# Altium PCB 0416X.PcbDoc (part 1 of 3)
Units mm, origin at the board's own origin, x right, y up, seen from the top; angles counter-clockwise.
Board outline 152.4 x 49.85 mm, 4 copper layers (Top Layer, Signal Layer 2, Signal Layer 1, Bottom Layer), stack 0.778 mm thick; 255 components, 302 nets, 1179 pads, 738 vias.
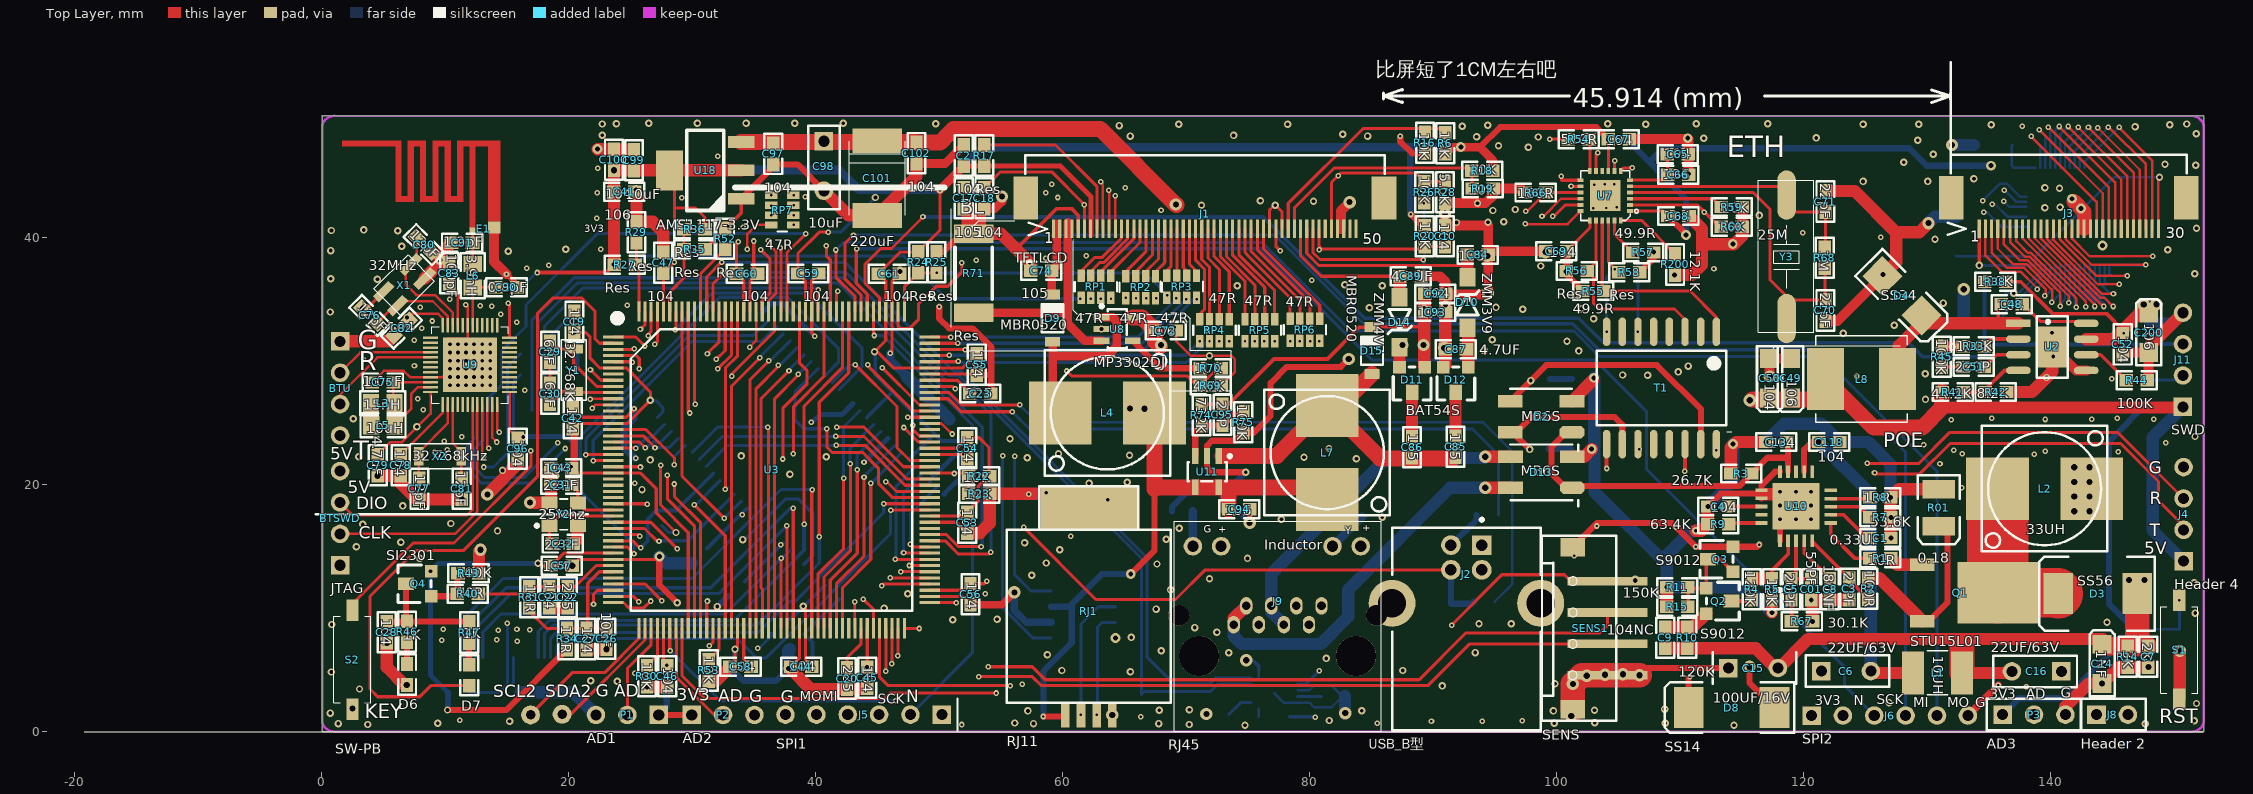
[diagram p0: Top Layer view]
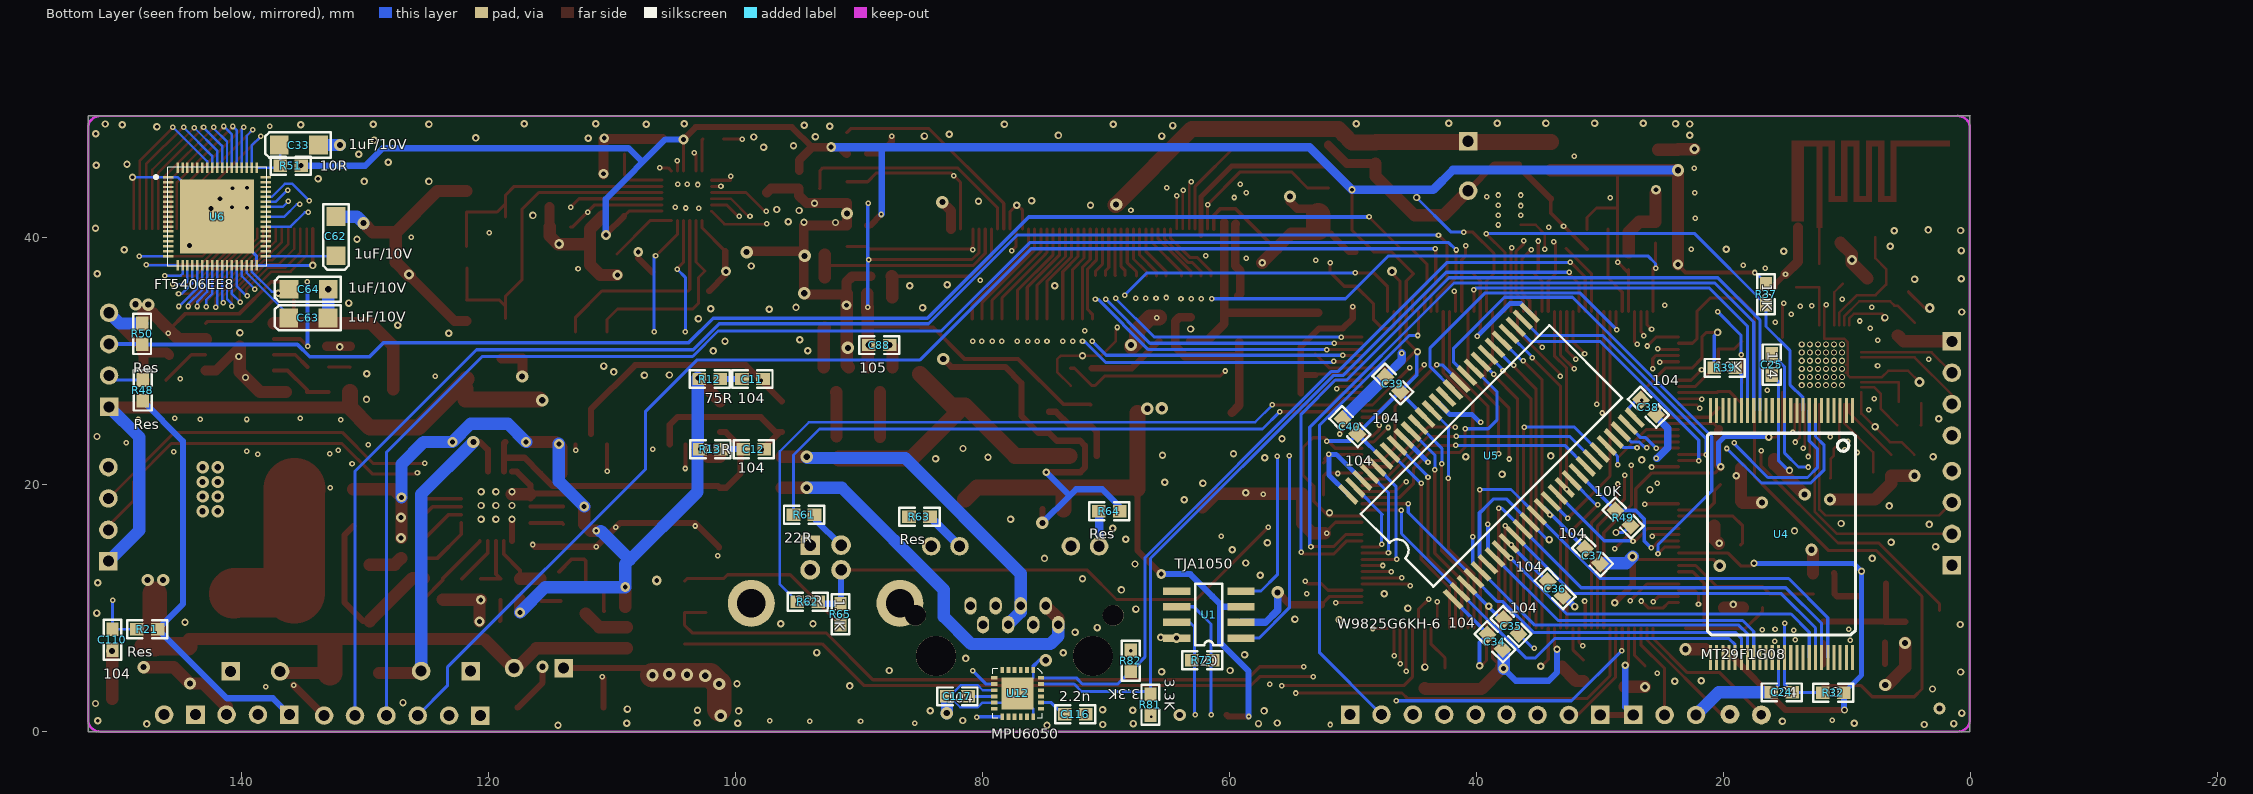
[diagram p1: Bottom Layer view, seen from below]
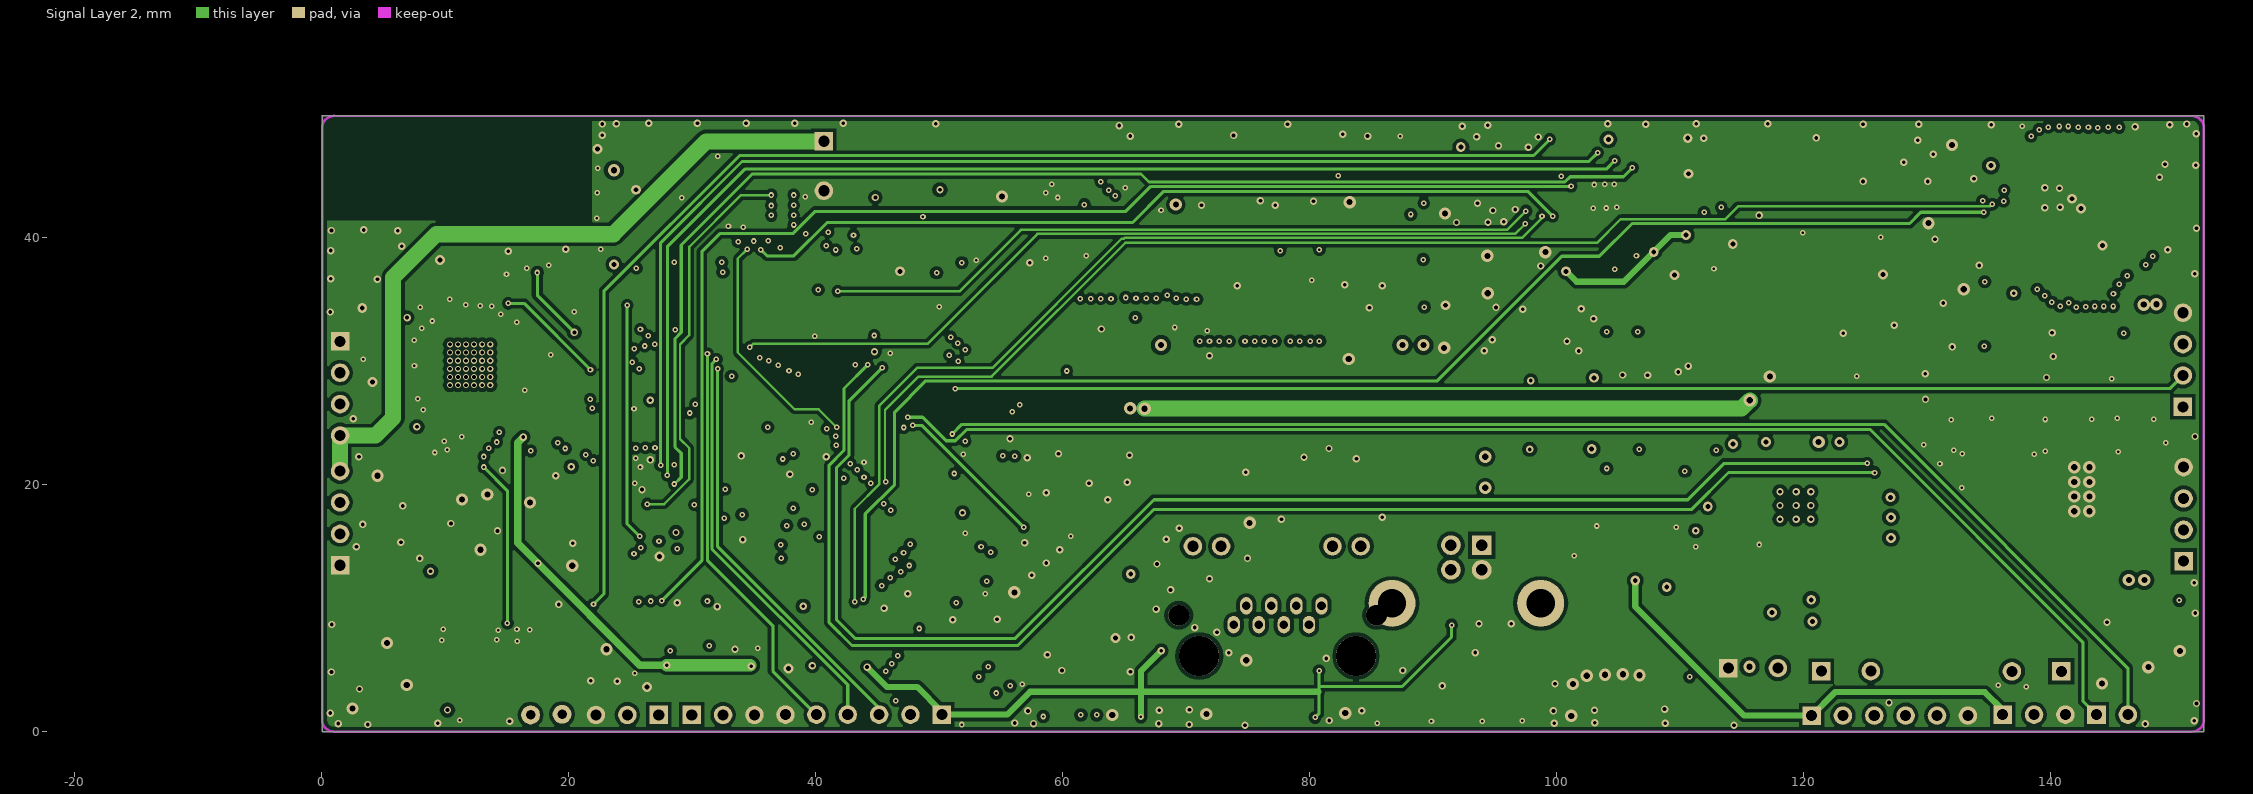
[diagram p2: Signal Layer 2]
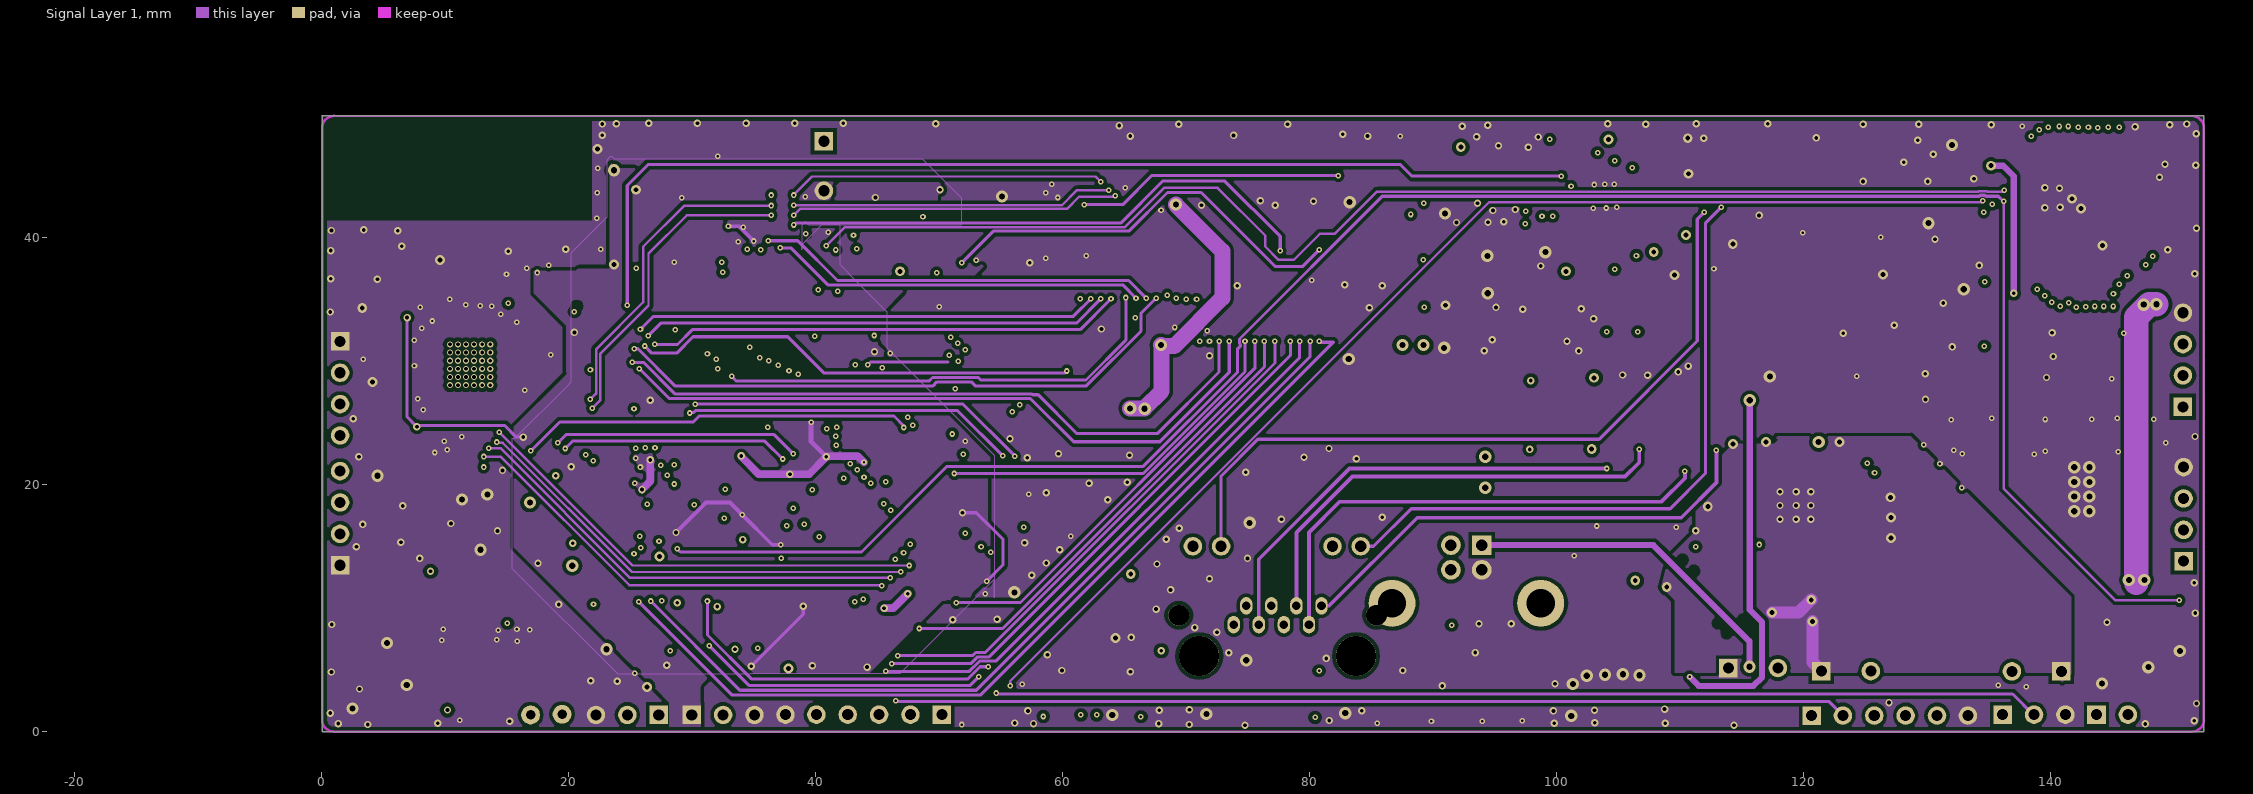
[diagram p3: Signal Layer 1]

## Layer stack, top to bottom
Top Solder: solder mask 0.0102, Solder Resist, Dk 3.5
Top Layer: signal copper 0.0356
Dielectric 1: core 0.254, FR-4, Dk 4.2
Signal Layer 2: signal copper 0.036
Dielectric 5: prepreg 0.127, Dk 4.2
Signal Layer 1: signal copper 0.036
Dielectric 4: core 0.254, Dk 4.2
Bottom Layer: signal copper 0.0356
Bottom Solder: solder mask 0.0102, Solder Resist, Dk 3.5

## Board outline
0.025,0.025 0.025,49.85 0,49.875 152.4,49.875 152.4,0.025

## Design rules (kind name [scope] priority, off if disabled: settings)
Clearance Clearance_2 [InPolygon] p1: gap=0.3
Clearance ClearancePSEGND [InPolygon] p2: gap=0.3
Clearance [All] p3: gap=0.102
ComponentClearance [All] p1: gap=0 collisioncheckmode=3 verticalgap=0 showdistances=FALSE
HoleSize [All] p1: absolutevalues=TRUE maxlimit=2 minlimit=0.2 maxpercent=80.000 minpercent=20.000
HoleToHoleClearance [All] p1: gap=0.508 allowstackedmicrovias=TRUE
MinimumSolderMaskSliver [All] p1: minsoldermaskwidth=0
PlaneConnect [All] p1: planeconnectstyle=Direct reliefexpansion=0.508 reliefentries=4 reliefconductorwidth=0.254 reliefairgap=0.254
PolygonConnect [All] p1: connectstyle=Direct reliefconductorwidth=0.254 reliefentries=4 polygonreliefangle="90 Angle" airgapwidth=0.254
RoutingVias [All] p1: holewidth=0.2 width=0.45 viastyle="Through Hole" minholewidth=0.2 minwidth=0.45 maxholewidth=2 maxwidth=3
SilkToSilkClearance [All] p1: silktosilkclearance=0
SilkToSolderMaskClearance [IsPad] p1: minsilkscreentomaskgap=0 clearancetoexposedcopper=TRUE
SolderMaskExpansion [All] p1: expansion=0.102
UnpouredPolygon [All] p1: allowunpoured=FALSE
Width [All] p1: maxlimit=25.4 minlimit=0.102 preferedwidth=0.203
22 further rules are at their usual default settings.

## Classes and differential pairs
component class POWER: C1 C01 C3 C4 C5 C6 C7 C8 C9 C11 C12 C13 C14 C15 C16 C48 C49 C50 C51 C52 C97 C98 C99 C100 C101 C102 C118 C200 D2 D3 D4 D13 J9 L1 L2 L8 Q1 Q2 Q3 R1 R01 R2 R3 R4 R5 R7 R8 R9 R10 R11 R12 R13 R14 R15 R33 R38 R41 R42 R44 R45 R63 R64 R67 T1 U1 U2 U18
component class 407VS429: BTU C2 C10 C17 C18 C19 C20 C21 C22 C23 C24 C25 C26 C27 C28 C29 C30 C31 C32 C33 C34 C35 C36 C37 C38 C39 C40 C41 C42 C43 C44 C45 C46 C47 C53 C54 C55 C56 C57 C58 C59 C60 C61 C62 C63 C64 C65 C66 C67 C68 C69 C70 C71 C72 C74 C75 C76 C77 C78 C79 C80 C81 C82 C83 C84 C85 C86 C87 C88 C89 C90 C91 C92 C93 C94 C95 C96 C110 C116 C117 D6 D7 D8 D9 D10 D11 D12 D14 D15 E1 J1 J2 J3 J4 J5 J6 J7 J8 J11 L3 L4 L5 L6 L7 P1 P2 P3 Q4 R6 R16 R17 R18 R19 R20 R21 R22 R23 R24 R25 R26 R27 R28 R29 R30 R31 R32 R34 R35 R36 R37 R39 R40 R43 R46 R47 R48 R49 R50 R51 R52 R53 R54 R55 R56 R57 R58 R59 R60 R61 R62 R65 R66 R68 R69 R70 R71 R73 R74 R75 R81 R82 R200 RJ1 RP1 RP2 RP3 RP4 RP5 RP6 RP7 S1 S2 SENS1 SWD1 U1 U3 U4 U5 U6 U7 U9 U11 U12 U18 X1 X2 Y1 Y2 Y3

## Components (designator, comment, footprint, x,y, rotation, side; value= is the part's Value field where it differs from the comment)
BTSWD "JTAG" HDR1X4 1.475,13.5 r90 top (schematic designator SWD1)
BTU "UART" HDR1X4 1.475,31.625 r270 top (schematic designator UART1)
C1 "0.33UF" 0603T 125.35,15.7 r0 top
C01 "55PF" 0603T 120.6,12.4 r270 top
C2 "104" 0603T 51.975,47.525 r270 top
C3 "27PF" 0603T 123.675,12.425 r270 top
C4 "104" 0603T 113.925,18.25 r180 top
C5 "20PF" 0603T 119,12.4 r270 top
C6 "22UF/63V" CAP-SIP 121.425,4.925 r0 top
C7 "2K" 0603T 147.9,5.25 r90 top
C8 "180NF" 0603T 122.125,12.4 r270 top
C9 "104NC" 0603T 108.775,6.775 r90 top
C10 "104" 0603T 90.95,41 r270 top
C11 "104" 0603T 99.45,28.575 r180 bottom
C12 "104" 0603T 99.35,22.9 r180 bottom
C13 "104" 0603T 118.625,23.475 r180 top
C14 "1NF" 1206 144.15,5.575 r90 top
C15 "100UF/16V" CAP-SIP 113.9,5.175 r0 top
C16 "22UF/63V" CAP-SIP 140.85,4.9 r180 top
C17 "105" 0603T 51.975,42.35 r90 top
C18 "104" 0603T 53.65,42.35 r90 top
C19 "104" 0603T 20.45,32.35 r90 top
C20 "225" 0603T 42.525,3.475 r90 top
C21 "104" 0603T 18.425,10.05 r90 top
C22 "225" 0603T 19.9,10.05 r90 top
C23 "225" 0603T 54.175,27.4 r180 top
C24 "104" 0603T 16.1,3.2 r180 bottom
C25 "104" 0603T 16.075,28.9 r90 bottom
C26 "10uF" 0603T 23.05,6.7 r90 top
C27 "104" 0603T 21.425,6.675 r90 top
C28 "104" 0603T 5.25,7.225 r90 top
C29 "6PF" 0603T 18.475,31.625 r270 top
C30 "6PF" 0603T 18.475,26.55 r90 top
C31 "22PF" 0603T 20.225,20.025 r180 top
C32 "22PF" 0603T 20.35,15.25 r180 top
C33 "1uF/10V" 1206 135.4,47.525 r0 bottom
C34 "104" 0603T 37.875,6.7 r45 bottom
C35 "104" 0603T 36.575,7.95 r45 bottom
C36 "104" 0603T 33,11 r45 bottom
C37 "104" 0603T 29.975,13.65 r45 bottom
C38 "104" 0603T 25.45,25.7 r45 bottom
C39 "104" 0603T 47.35,28.775 r225 bottom
C40 "104" 0603T 50.825,25.325 r225 bottom
C41 "106" 0603T 23.65,43.75 r0 top
C42 "104" 0603T 20.325,26.25 r270 top
C43 "104" 0603T 18.55,21.375 r0 top
C44 "104" 0603T 37.975,5.275 r0 top
C45 "104" 0603T 44.15,3.525 r90 top
C46 "104" 0603T 27.975,3.65 r90 top
C47 "104" 0603T 27.65,38.85 r270 top
C48 "104" 0603T 137.7,34.625 r180 top
C49 "106" 1206 118.925,28.575 r270 top
C50 "104" 1206 117.225,28.575 r270 top
C51 "220P" 0603T 132.925,29.55 r0 top
C52 "104" 0603T 145.825,30.525 r90 top
C53 "104" 0603T 52.269,16.1 r90 top
C54 "104" 0603T 52.269,22.125 r90 top
C55 "104" 0603T 53.025,28.9 r90 top
C56 "104" 0603T 52.525,10.3 r90 top
C57 "104" 0603T 20.275,13.45 r180 top
C58 "104" 0603T 33.05,5.275 r0 top
C59 "104" 0603T 40.25,37.125 r180 top
C60 "104" 0603T 35.275,37.1 r180 top
C61 "104" 0603T 46.775,37.1 r180 top
C62 "1uF/10V" 1206 132.325,40.075 r270 bottom
C63 "1uF/10V" 1206 134.625,33.525 r0 bottom
C64 "1uF/10V" 1206 134.6,35.85 r0 bottom
C65 "104" 0603T 110.65,46.775 r180 top
C66 "106" 0603T 110.675,45.125 r180 top
C67 "104" 0603T 105.875,48 r180 top
C68 "104" 0603T 110.7,41.775 r180 top
C69 "104" 0603T 99.1,38.925 r0 top
C70 "22pF" 0603T 121.75,34.975 r270 top
C71 "22pF" 0603T 121.75,42.1 r90 top
C72 "106" 0603T 69.175,32.5 r180 top
C74 "105" 0603T 57.4,37.35 r0 top
C75 "1.0uF" 0603T 4.075,28.3 r0 top
C76 "12pF" 0603T 4.475,33.125 r135 top
C77 "12pF" 0603T 7.9,20.525 r270 top
C78 "104" 0603T 6.4,22.45 r270 top
C79 "4.7uF" 0603T 4.525,22.45 r270 top
C80 "12pF" 0603T 7.675,40.05 r315 top
C81 "12pF" 0603T 11.325,20.525 r270 top
C82 "104" 0603T 7.05,33.3 r225 top
C83 "100pF" 0603T 10.325,36.275 r90 top
C84 "105" 0603T 92.75,38.625 r0 top
C85 "105" 0603T 91.8,22.25 r90 top
C86 "105" 0603T 88.275,23.9 r270 top
C87 "4.7UF" 0603T 90.95,30.975 r0 top
C88 "105" 0603T 87.5,31.325 r0 bottom
C89 "4.7UF" 0603T 89.025,36.9 r180 top
C90 "0.8pF" 0603T 15.8,36 r180 top
C91 "1.2pF" 0603T 10.5,39.6 r0 top
C92 "104" 0603T 91,35.475 r180 top
C93 "106" 0603T 91,34 r180 top
C94 "106" 0603T 75.125,18.025 r180 top
C95 "22P" 0603T 72.925,26.525 r270 top
C96 "104" 0603T 15.85,23.775 r270 top
C97 "104" 0603T 36.55,45.95 r90 top
C98 "10uF" CAP-SIP 40.65,47.825 r270 top
C99 "10uF" 0603T 25.275,47.15 r270 top
C100 "104" 0603T 23.65,47.175 r270 top
C101 "220uF" 7343E型 44.975,44.825 r270 top
C102 "104" 0603T 48.15,46.025 r90 top
C110 "104" 0603T 150.425,6.6 r90 bottom
C116 "2.2n" 0603T 73.3,1.425 r180 bottom
C117 "104" 0603T 82.85,2.875 r180 bottom
C118 "104" 0603T 122.9,23.475 r180 top
C200 "106" 1206 147.925,32.375 r90 top
D2 "MB6S" SOP-4 101.225,24.275 r180 top
D3 "SS56" SMC#1 143.8,11.2 r180 top
D4 "SS34" SMB 127.95,35.325 r315 top
D6 "电源指示灯" 0603T 6.9,5.5 r270 top
D7 "LED指示灯" 0603T 11.925,5.45 r270 top
D8 "SS14" SMC#2 114.15,1.975 r180 top
D9 "MBR0520" SOD-123 59.175,33.5 r270 top
D10 "ZMM3V9" DIODE_ZMMx 92.75,34.775 r90 top
D11 "BAT54S" SOT-23 88.275,28.525 r180 top
D12 "BAT54S" SOT-23 91.825,28.525 r180 top
D13 "MB6S" SOP-4 101.25,19.775 r180 top
D14 "ZMM4V7" DIODE_ZMMx 87.275,33.175 r270 top
D15 "MBR0520" SOD-123 85.025,30.875 r270 top
E1 "Antenna" ANT2.4G2 12.2,40.6 r90 top
J1 "TFTLCD" FPC-TOP50 59.25,40.725 r0 top locked
J2 "USB_B型" USB2.5-2H4D 92.675,14.125 r270 top locked
J3 "TP插座" FPC-TOP30 134.2,40.75 r0 top locked
J4 "Header 4" HDR1X4 150.75,13.825 r90 top
J5 "SPI1" HDR1X6 50.2,1.4 r180 top
J6 "SPI2" HDR1X6 120.625,1.325 r0 top
J8 "Header 2" HDR1X2 143.7,1.4 r0 top
J9 "RJ45" RJ45 79.6,8 r180 top locked
J11 "SWD" HDR1X4 150.7,26.325 r90 top
L1 "10UH" 4*4电感 130.825,4.775 r0 top
L2 "33UH" L10*10 139.525,18.725 r0 top locked
L3 "15nH" CL-0805 4.925,26.625 r180 top
L4 "Inductor" L10*10 63.575,26.8 r180 top
L5 "10uH" CL-0805 4.95,24.825 r0 top
L6 "3.9nH" CL-0805 12.2,36.95 r90 top
L7 "Inductor" L10*10 82.375,22.65 r90 top
L8 "Inductor" 6*6电感 124.675,28.575 r0 top
P1 "AD1" HDR1X3 27.275,1.375 r180 top
P2 "AD2" HDR1X3 29.95,1.375 r0 top
P3 "AD3" HDR1X3 136.1,1.4 r0 top
Q1 "STU15L01" TO-252AA(D-PAK) 129.6,13.55 r270 top
Q2 "S9012" SOT-23 113.125,10.6 r270 top
Q3 "S9012" SOT-23 113.25,13.975 r90 top
Q4 "SI2301" SOT-23 7.825,12 r90 top
R1 "10R" 0603T 127.05,14.075 r180 top
R01 "0.18" 3.5X2.8X1.9 130.925,18.15 r270 top
R2 "100R" 0603T 125.225,12.45 r270 top
R3 "26.7K" 0603T 115.775,20.925 r180 top
R4 "120K" 0603T 115.775,12.4 r270 top
R5 "15K" 0603T 117.425,10.7 r90 top
R6 "10K" 0603T 90.975,48.525 r270 top
R7 "53.6K" 0603T 127.05,17.375 r180 top
R8 "10R" 0603T 127.025,19 r180 top
R9 "63.4K" 0603T 112.225,16.825 r0 top
R10 "120K" 0603T 110.55,8.475 r270 top
R11 "150K" 0603T 108.9,11.725 r0 top
R12 "75R" 0603T 102.925,28.575 r180 bottom
R13 "75R" 0603T 102.85,22.9 r180 bottom
R14 "3K" 0603T 146.225,5.225 r90 top
R15 "不焊并联的" 0603T 108.9,10.15 r0 top
R16 "10K" 0603T 89.325,48.55 r270 top
R17 "Res" 0603T 53.625,45.825 r90 top
R18 "10K" 0603T 93.125,45.45 r0 top
R19 "10K" 0603T 93.15,44 r0 top
R20 "10K" 0603T 89.3,41 r270 top
R21 "Res" 0603T 148.45,8.325 r180 bottom
R22 "10K" 0603T 52.369,20.7 r0 top
R23 "10K" 0603T 52.369,19.275 r0 top
R24 "Res" 0603T 48.3,37.175 r90 top
R25 "Res" 0603T 49.775,37.175 r90 top
R26 "10K" 0603T 89.275,44.55 r270 top
R27 "Res" 0603T 25.375,37.825 r180 top
R28 "5.6K" 0603T 90.95,44.55 r270 top
R29 "Res" 0603T 25.475,39.6 r90 top
R30 "10K" 0603T 26.325,3.65 r90 top
R31 "10R" 0603T 16.8,10.05 r90 top
R32 "0" 0603T 11.925,3.175 r180 bottom
R33 "100K" 0603T 134.625,31.225 r180 top
R34 "10R" 0603T 19.85,6.675 r90 top
R35 "Res" 0603T 31.025,39.075 r180 top
R36 "Res" 0603T 31.025,40.7 r180 top
R37 "10K" 0603T 16.525,36.275 r270 bottom
R38 "100K" 0603T 134.65,36.45 r0 top
R39 "10K" 0603T 19.025,29.475 r0 bottom
R40 "10R" 0603T 10.975,11.175 r0 top
R41 "44.2K" 0603T 132.9,27.525 r180 top
R42 "8.2K" 0603T 134.675,27.525 r0 top
R43 "100K" 0603T 12.725,12.85 r180 top
R44 "100K" 0603T 146.1,28.475 r0 top
R45 "100K" 0603T 131.175,29.525 r90 top
R46 "1K" 0603T 6.9,8.95 r270 top
R47 "1K" 0603T 11.925,8.9 r270 top
R48 "Res" 0603T 147.975,28.5 r270 bottom
R49 "10K" 0603T 27.5,16.725 r45 bottom
R50 "Res" 0603T 148.025,33.075 r270 bottom
R51 "10R" 0603T 136.85,45.85 r180 bottom
R52 "Res" 0603T 32.65,40.775 r270 top
R53 "10K" 0603T 31.325,4.125 r90 top
R54 "510R" 0603T 102.625,48 r180 top
R55 "49.9R" 0603T 102.1,35.7 r0 top
R56 "Res" 0603T 100.75,37.325 r0 top
R57 "49.9R" 0603T 107.85,38.825 r180 top
R58 "Res" 0603T 106.7,37.225 r180 top
R59 "10K" 0603T 115.025,42.5 r180 top
R60 "10K" 0603T 115.025,40.9 r180 top
R61 "22R" 0603T 95.275,17.575 r180 bottom
R62 "22R" 0603T 94.975,10.55 r180 bottom
R63 "Res" 0603T 84.225,17.425 r0 bottom
R64 "Res" 0603T 70.55,17.875 r180 bottom
R65 "1.5K" 0603T 91.475,8.675 r90 bottom
R66 "160R" 0603T 99.125,43.675 r180 top
R67 "30.1K" 0603T 120.7,8.95 r180 top
R68 "1M" 0603T 121.7,39.25 r270 top
R69 "4.7K" 0603T 71.125,28.05 r0 top
R70 "10K" 0603T 72.825,29.45 r180 top
R71 "Res" 2512公制6432 52.775,40.35 r270 top
R73 "120" 0603T 61.325,5.8 r0 bottom
R74 "732K" 0603T 71.225,26.5 r270 top
R75 "100K" 0603T 74.6,25.925 r270 top
R81 "3.3K" 0603T 66.375,1.35 r90 bottom
R82 "3.3K" 0603T 67.975,6.625 r270 bottom
R200 "12.1K" 0603T 109.575,38.7 r270 top
RJ1 "RJ11" CAN接口 62.1,9.375 r0 top
RP1 "47R" 8P4R_0603 61.475,35.15 r90 top locked
RP2 "47R" 8P4R_0603 65.1,35.125 r90 top
RP3 "47R" 8P4R_0603 68.425,35.175 r90 top
RP4 "47R" 8P4R_0603 71.075,31.65 r90 top locked
RP5 "47R" 8P4R_0603 74.75,31.65 r90 top locked
RP6 "47R" 8P4R_0603 78.4,31.675 r90 top locked
RP7 "47R" 8P4R_0603 36.4,43.45 r0 top
S1 "SW-PB" KEY3*6 150.4,6.65 r90 top
S2 "SW-PB" KEY3*6 2.475,5.85 r270 top
SENS1 "SENS" 传感器接口 101.8,8.4 r270 top
T1 "11FB-05NL" SOIC16 108.475,27.85 r270 top
U1 "TJA1050" SO-8 61.65,9.5 r90 bottom (schematic designator U10)
U2 "MP1584EN" SOIC8-PAD 140.125,31.175 r0 top
U3 "STM32F429IGT6" LQFP176 23.6,31.975 r0 top locked
U4 "MT29F1G08" TSOP48 9.525,26.025 r270 bottom locked
U5 "W9825G6KH-6" TSOP54 41.875,10.75 r45 bottom locked
U6 "FT5406EE8" QFN68-0.4mm 141.95,41.725 r180 bottom locked
U7 "LAN8720A" QFN24 105.175,41.425 r180 top
U8 "MP3302DJ" SOT-23-5 63.125,33.575 r0 top
U9 "nRF52832-QFAA" QFN48 12,29.725 r90 top
U10 "AS1138" QFN20-0.65BSC-PAD 120.675,21.075 r270 top locked
U11 "TPS61040" SOT-23-5 72.625,22.35 r270 top
U12 "MPU6050" QFN20-0.5BSC-PAD 75.225,1.875 r270 bottom
U18 "AMS1117-3.3V" SOT-223 31.05,45.475 r90 top
X1 "32MHz" 3225晶振贴片 6.625,36.15 r45 top
X2 "32.768kHz" 3215贴片晶振32.768K 7.85,22.325 r0 top
Y1 "32.768K" 3215贴片晶振32.768K 20.4,27.575 r90 top
Y2 "25Mhz" XTAL3225 18.425,16.7 r0 top
Y3 "25M" X-HC49-SMT 118.6,43.469 r270 top
